# Altium PCB PROC114E3_BRD.PcbDoc (part 1 of 18) (continued)
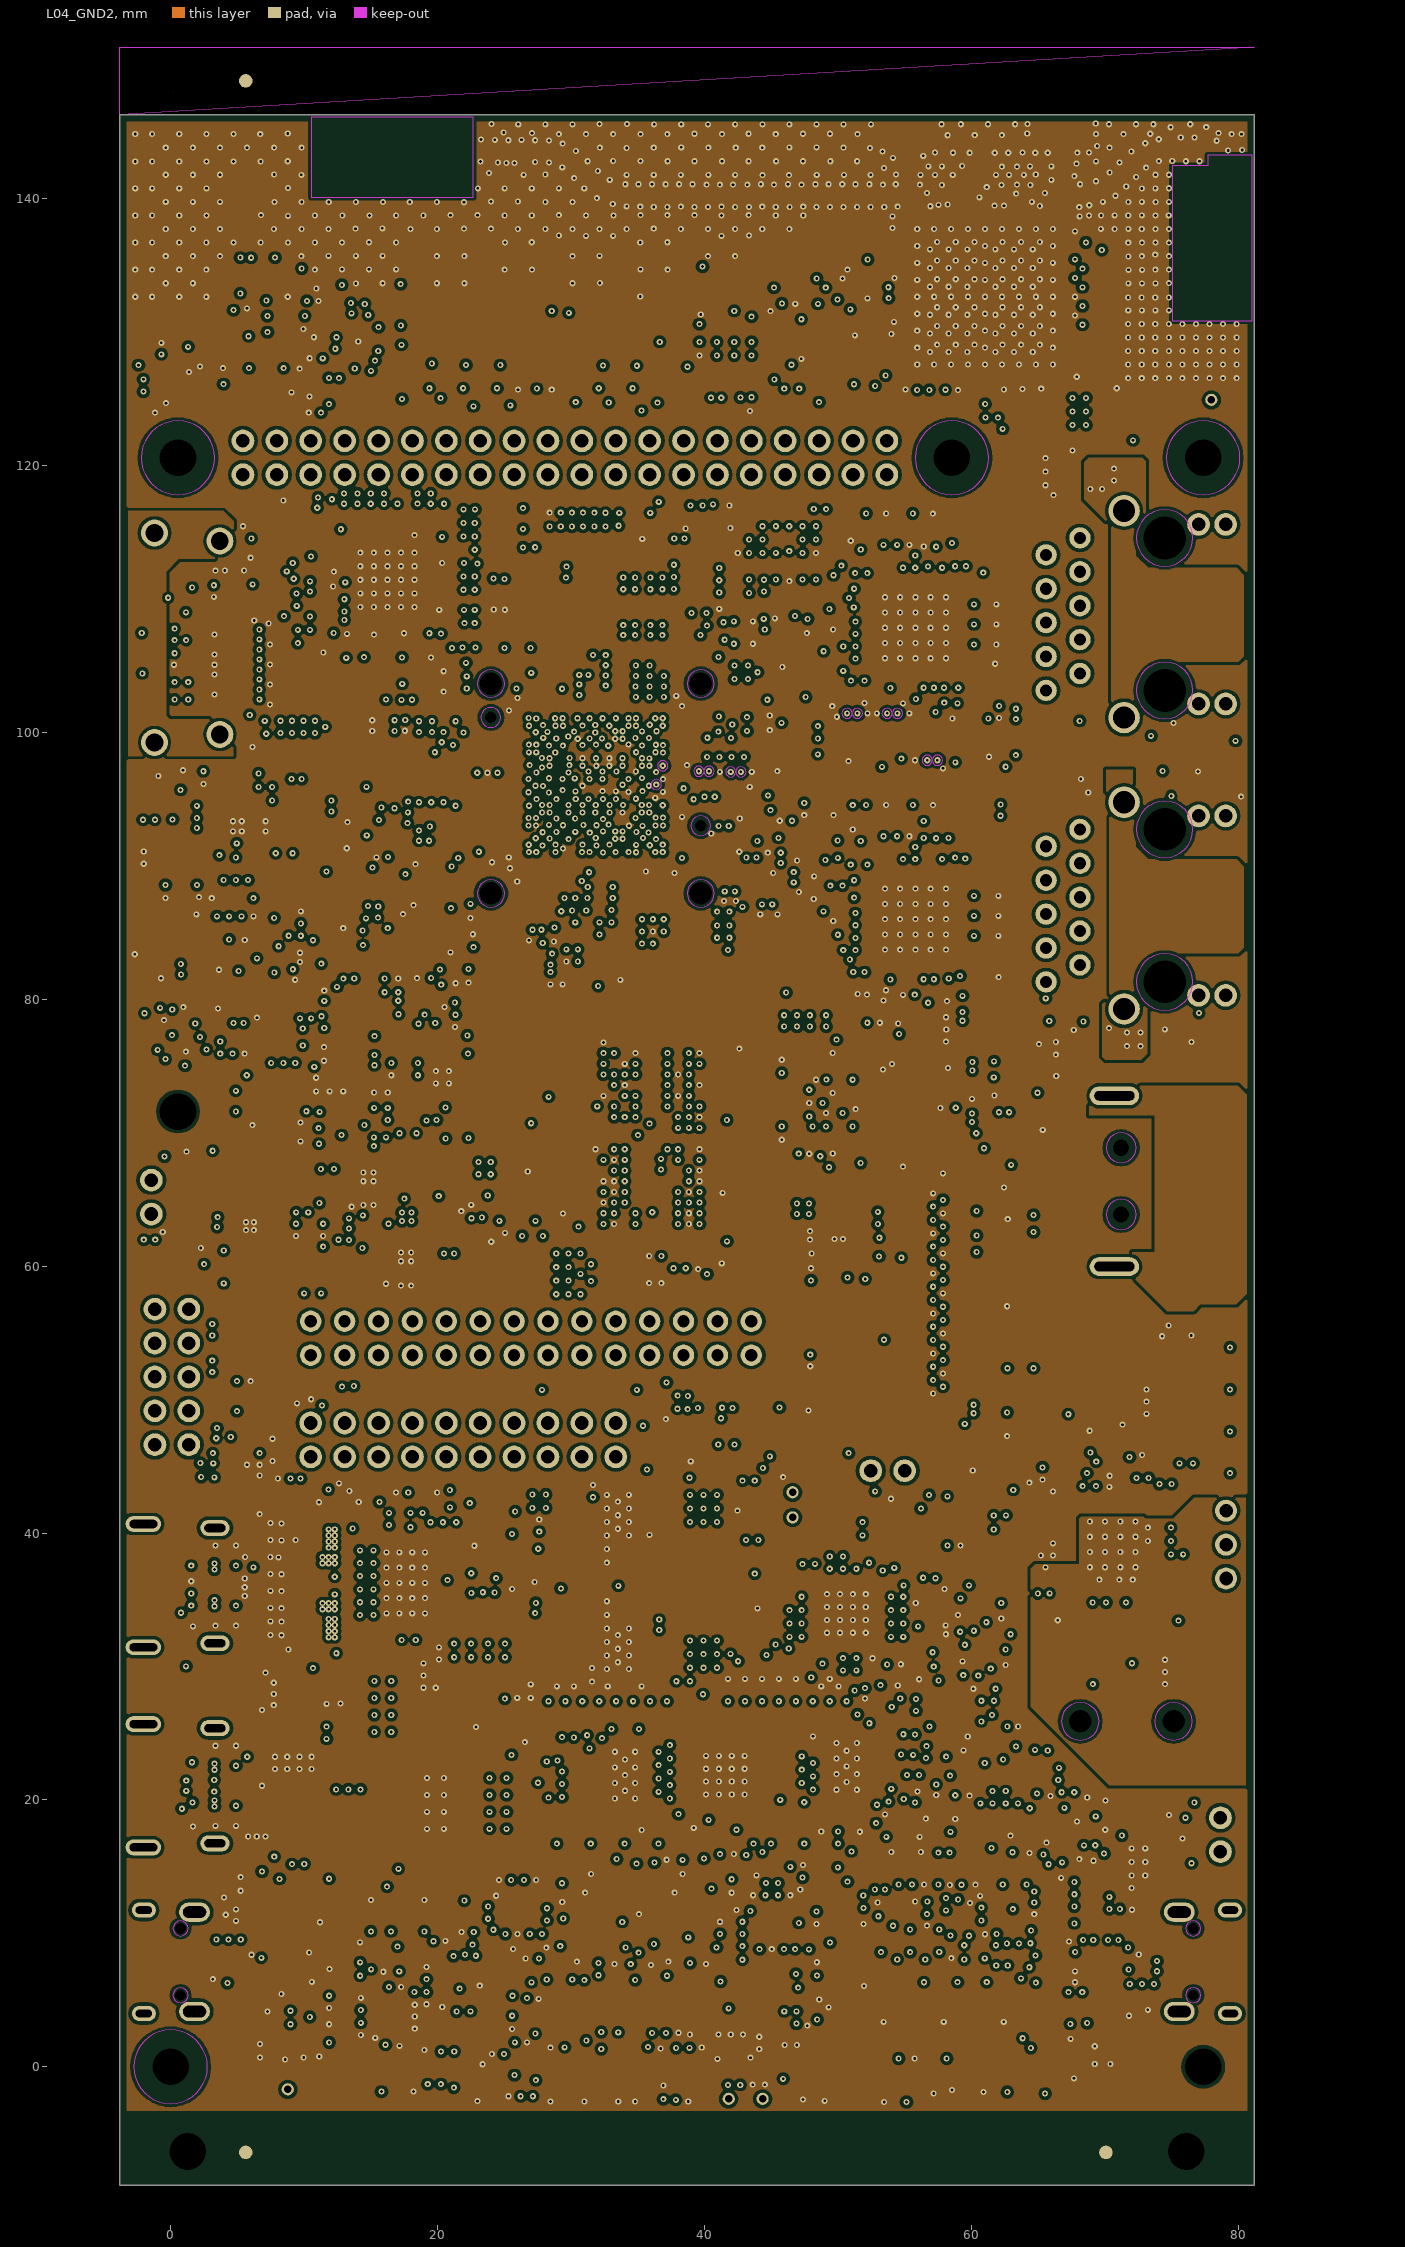
[diagram p4: L04_GND2]
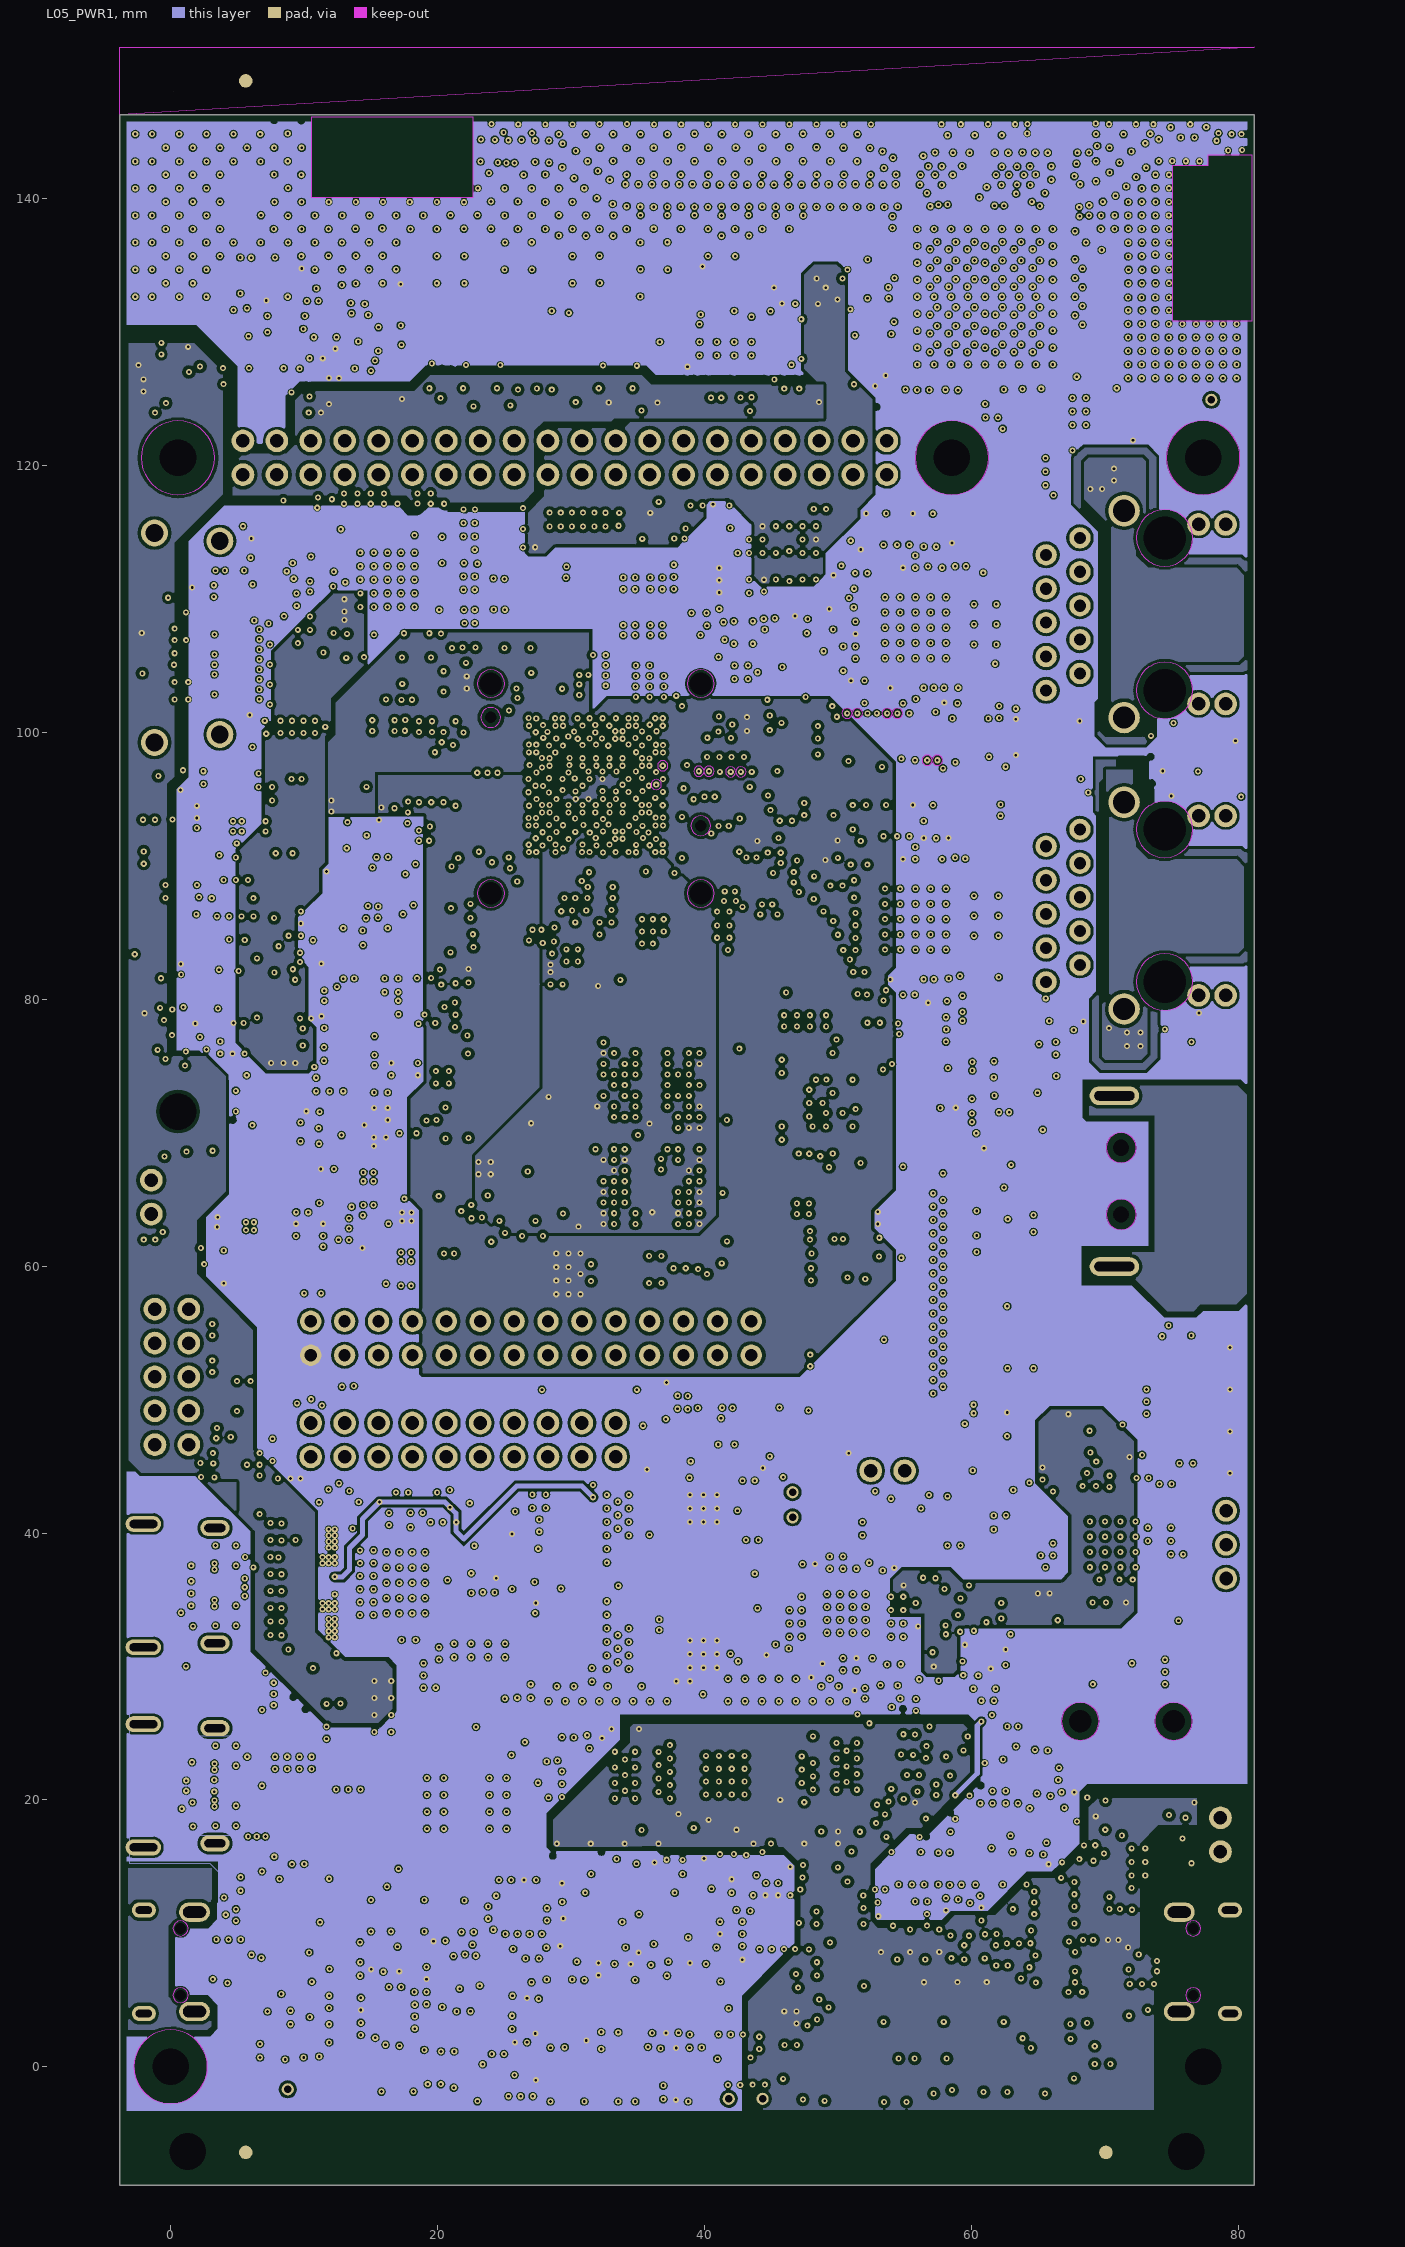
[diagram p5: L05_PWR1]
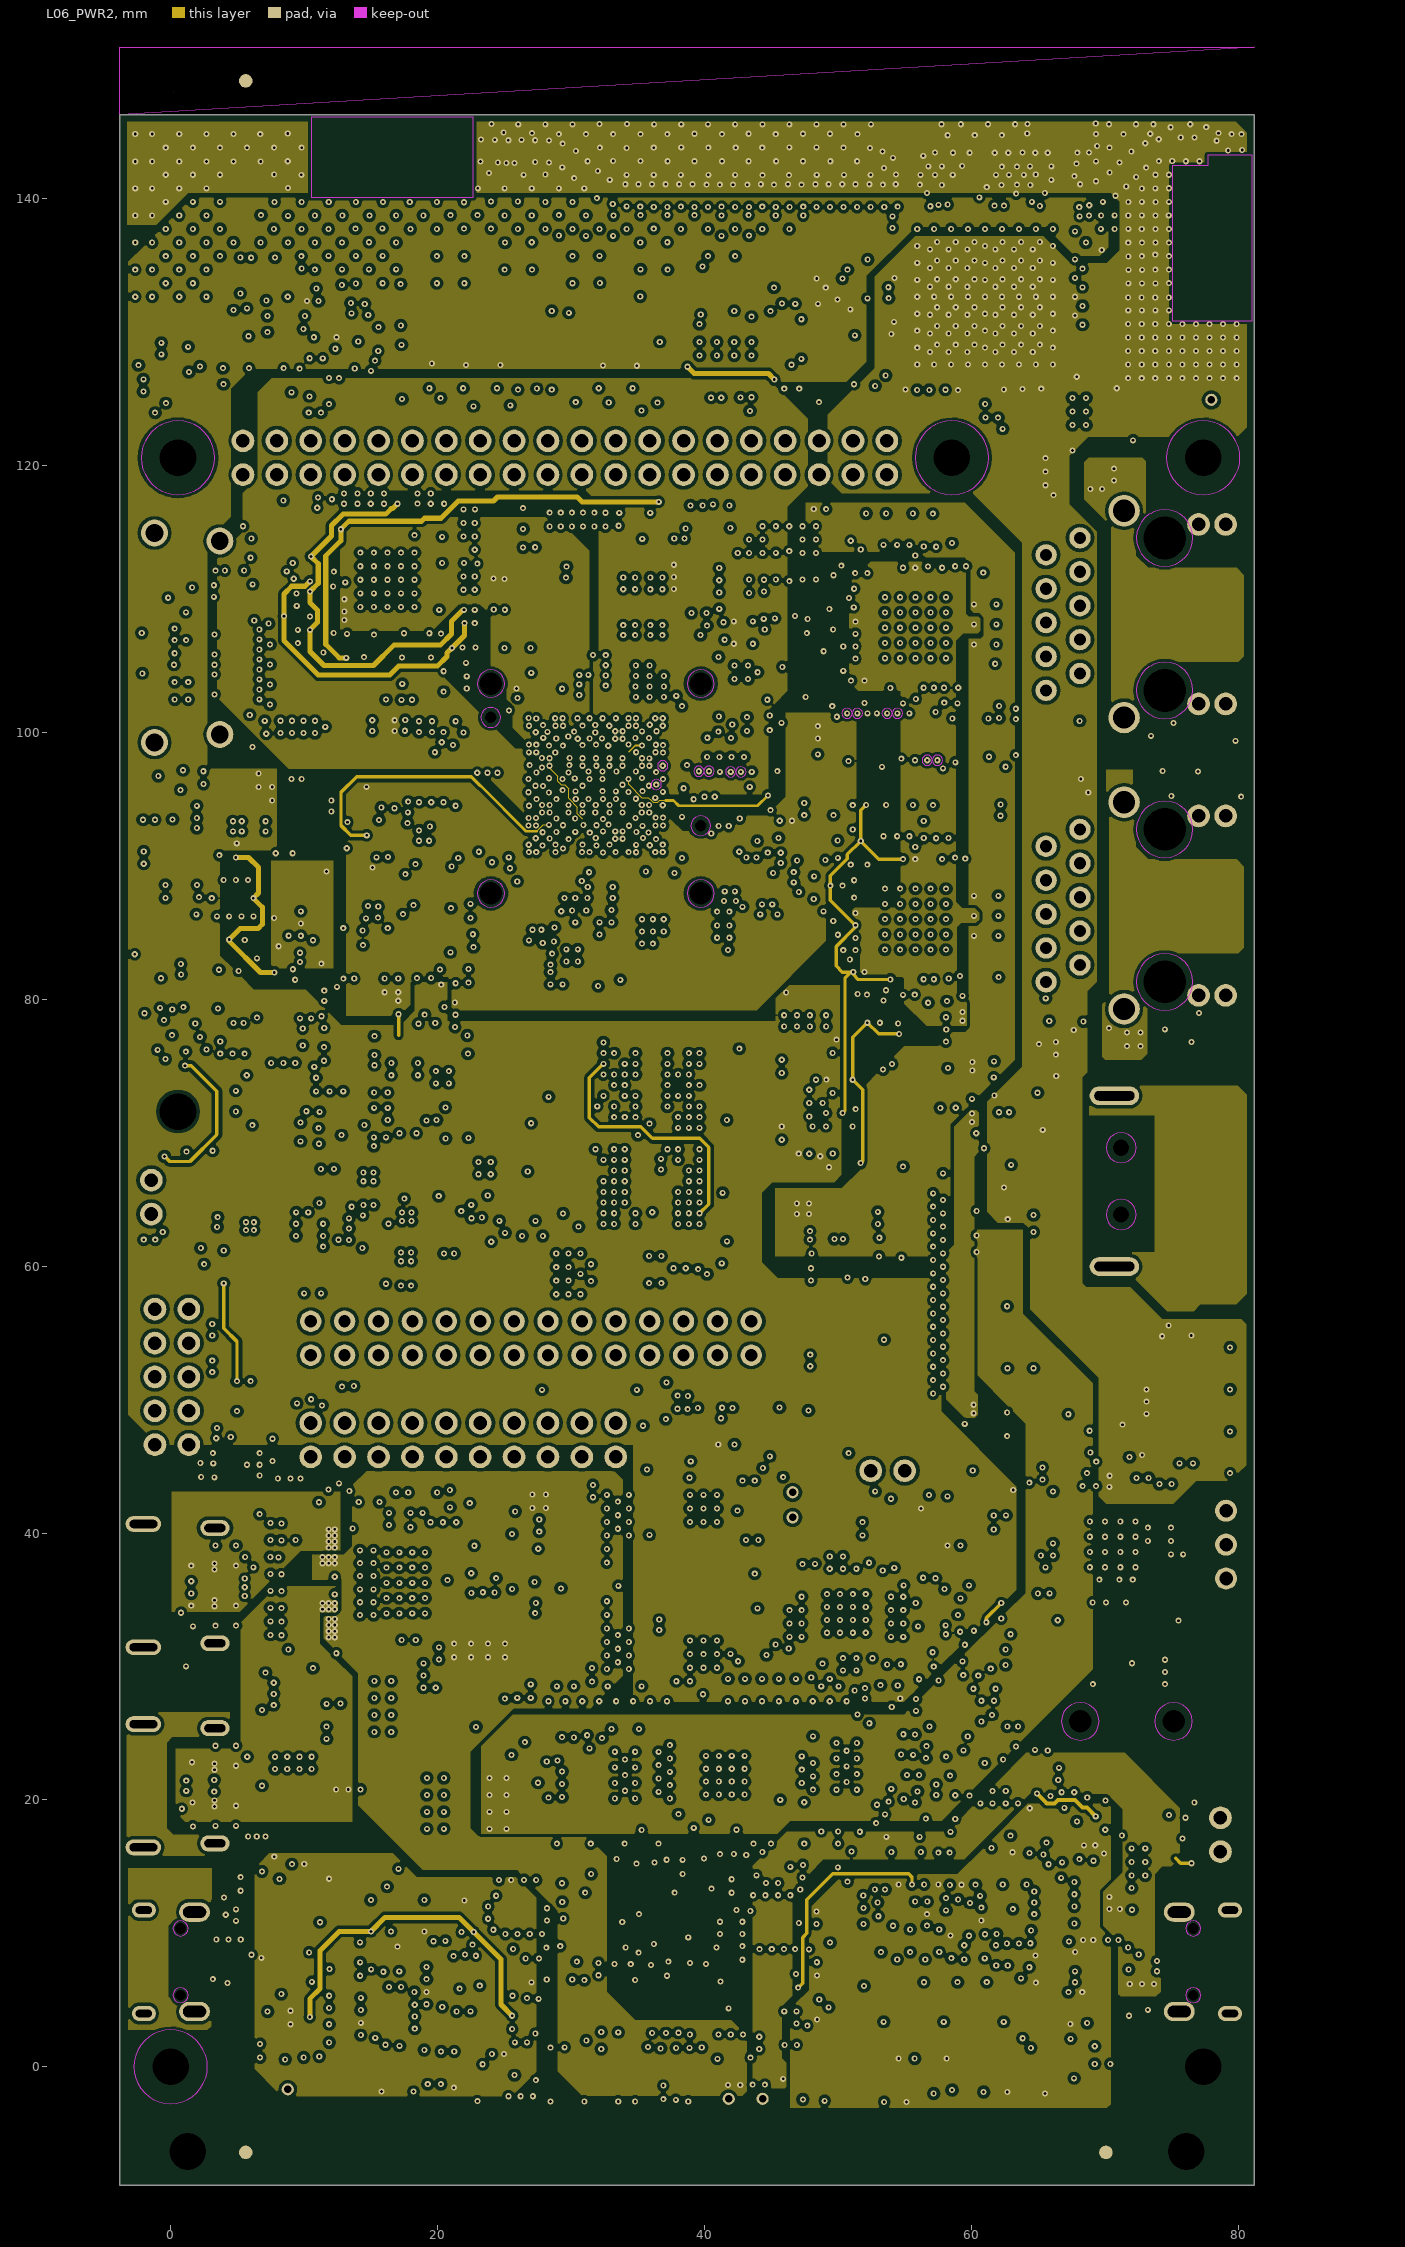
[diagram p6: L06_PWR2]
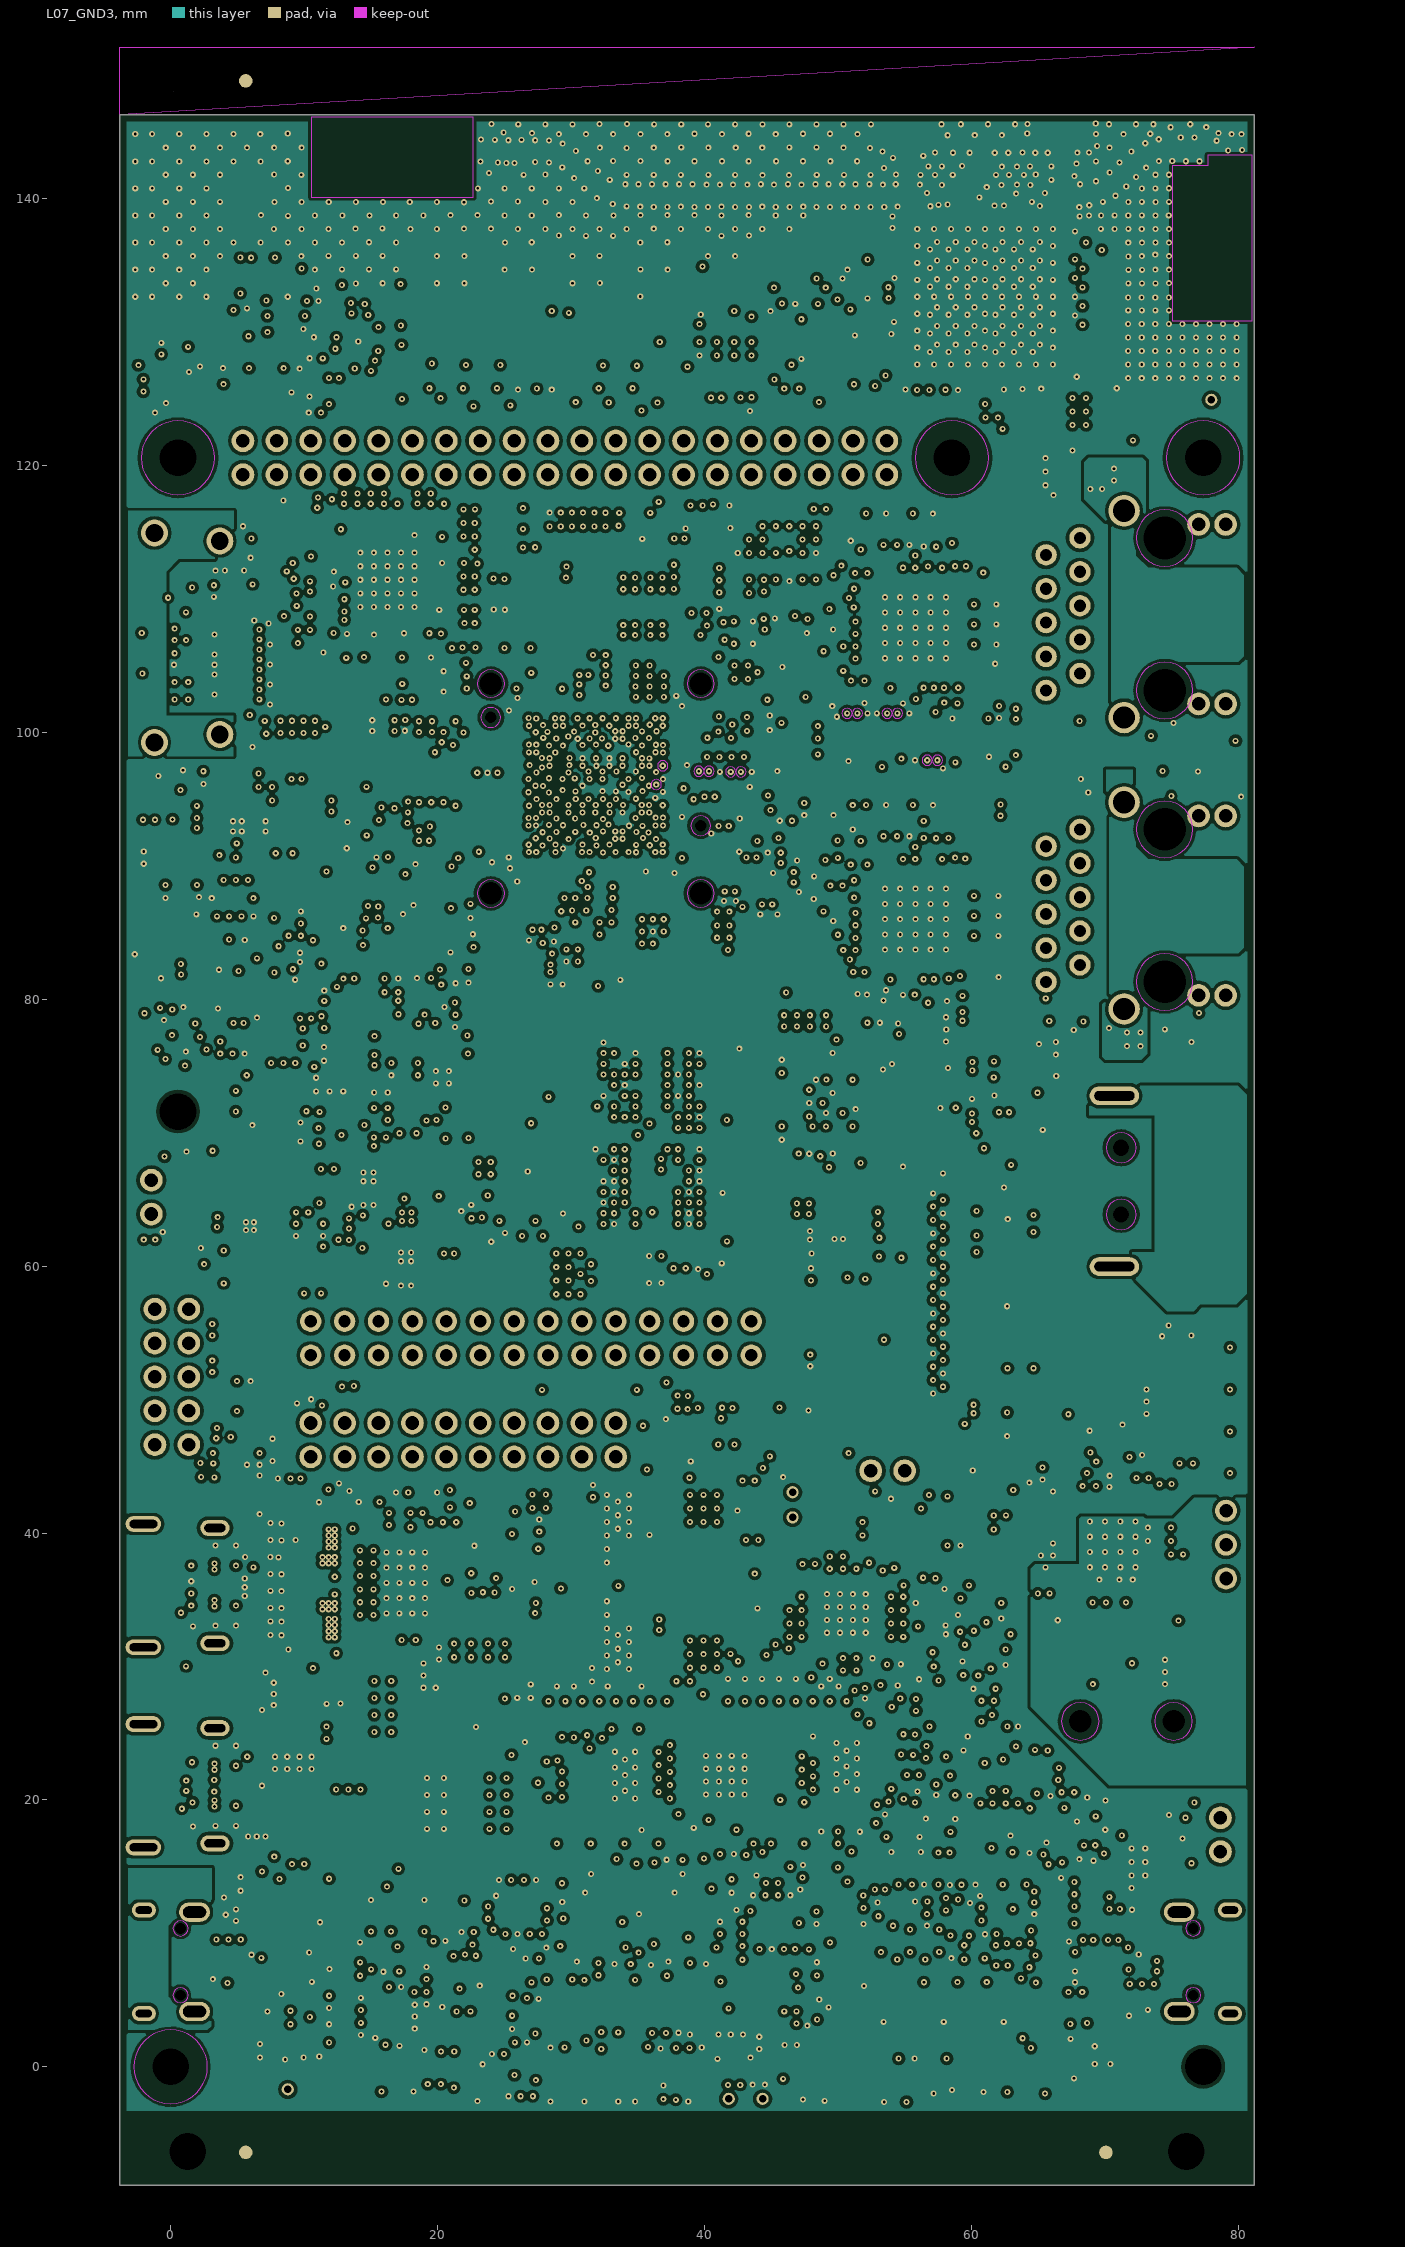
[diagram p7: L07_GND3]